# Allegro board 8880F5-0823__zarif.brd (continued)
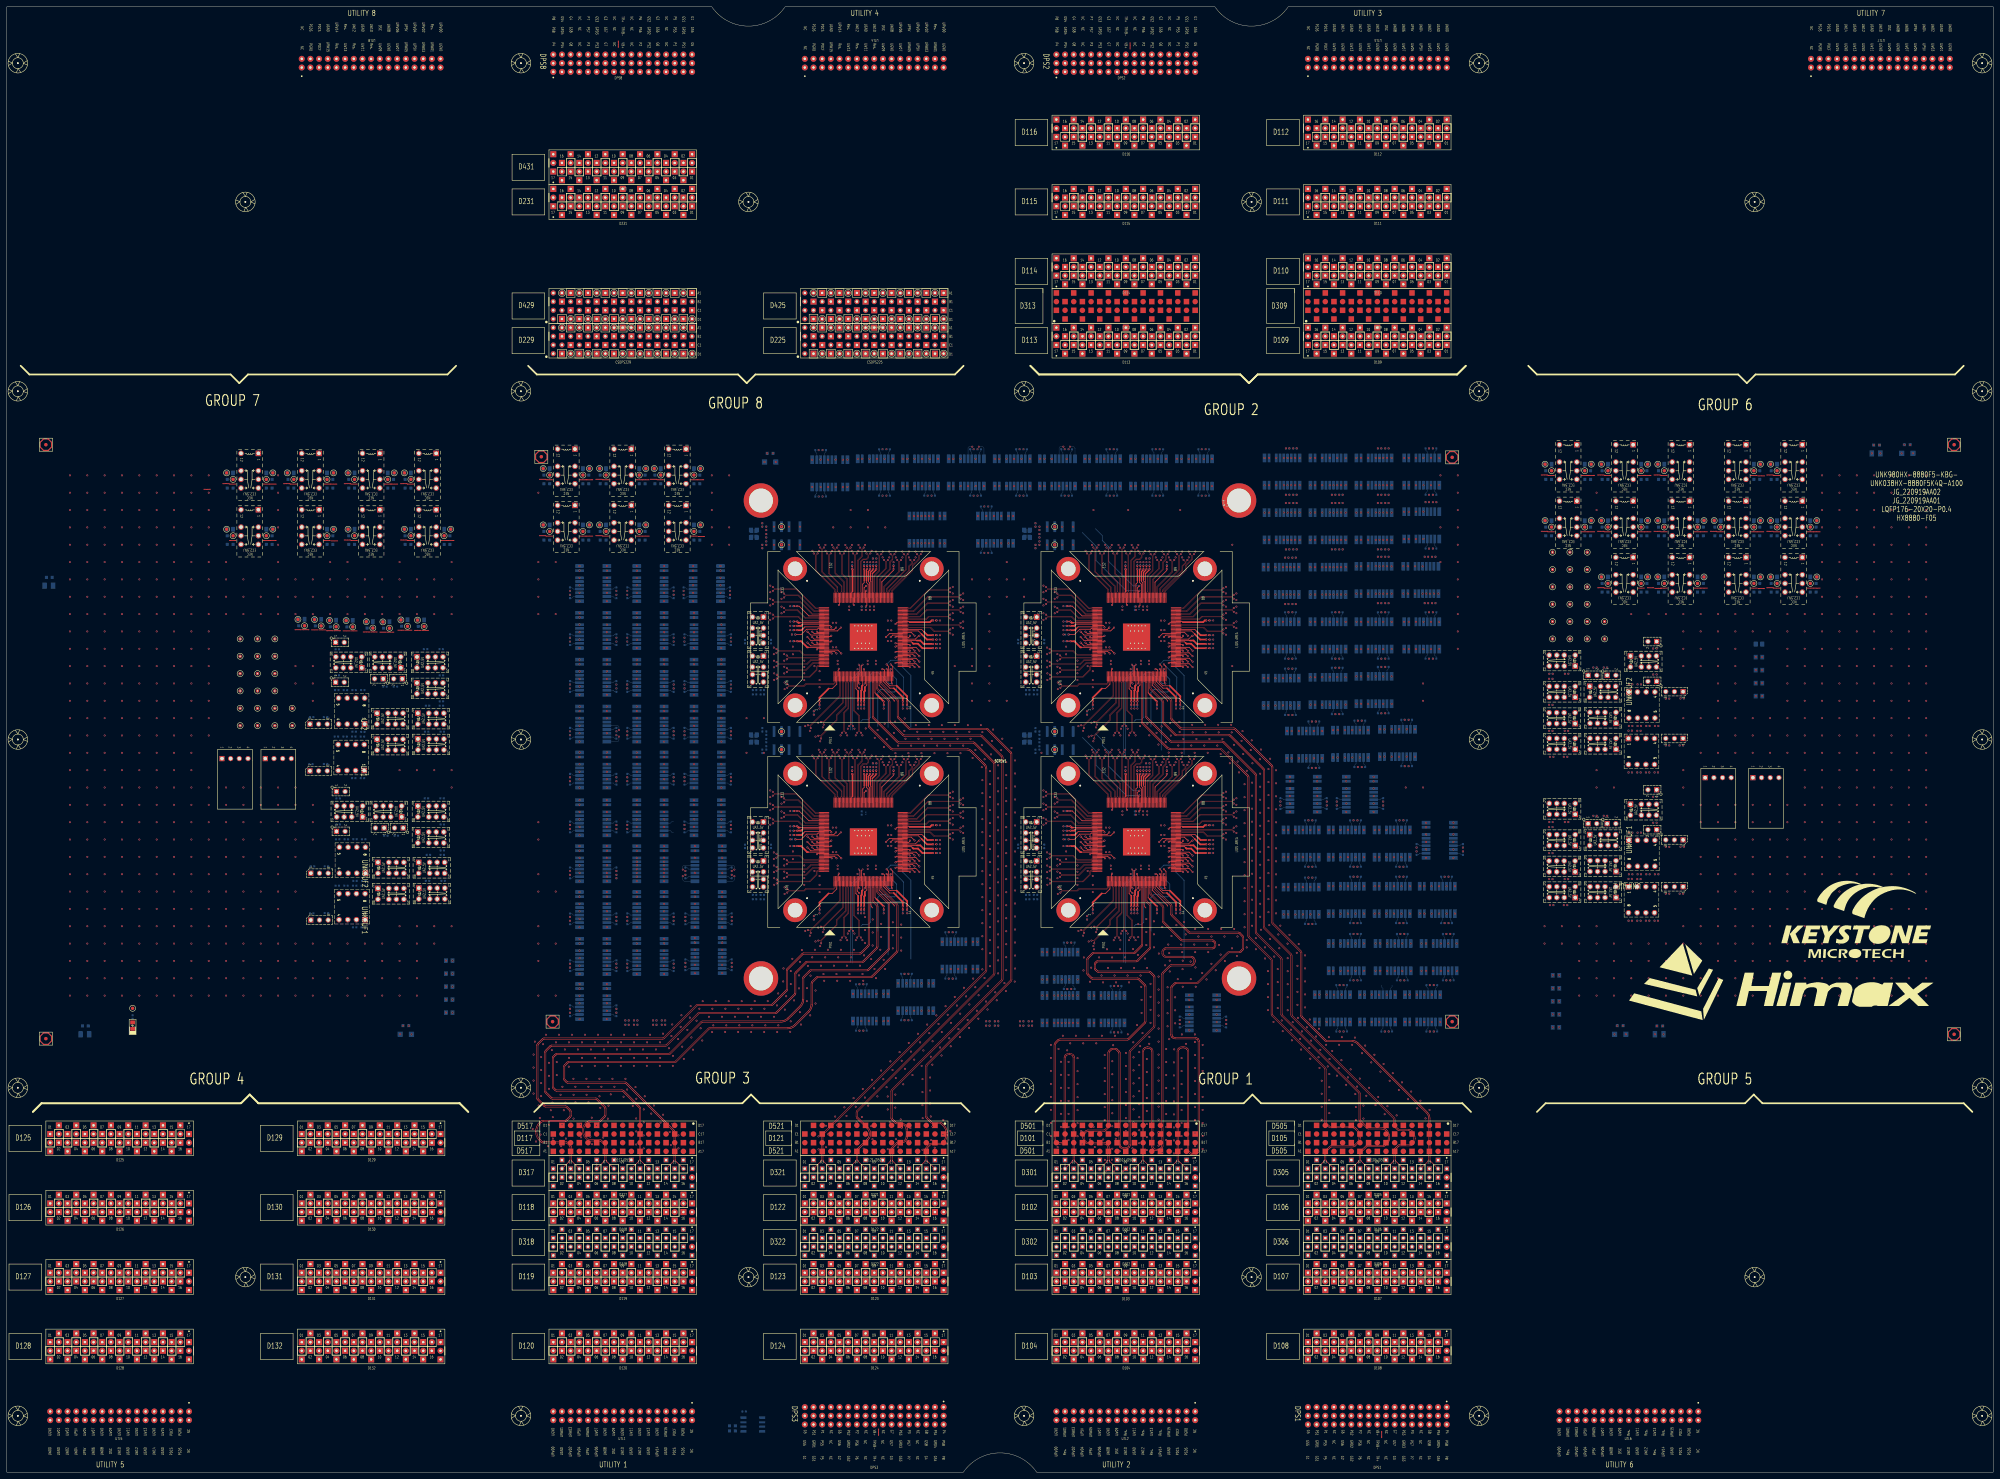
[diagram p0: board, top side]
## Placement (name value [footprint] x y rotation side) (continued)
FD8  -  [FD_040_V2]  156.51 297.46 180 bottom
FD9  -  [FD_040_V2]  570.23 128.27 180 bottom
FD10  -  [FD_040_V2]  570.23 300.99 0 top
FD11  -  [FD_040_V2]  570.23 300.99 180 bottom
FD12  -  [FD_040_V2]  11.43 300.99 0 top
FD13  -  [FD_040_V2]  11.43 300.99 180 bottom
FD14  -  [FD_040_V2]  11.43 127 0 top
FD15  -  [FD_040_V2]  11.43 127 180 bottom
FD16  -  [FD_040_V2]  570.23 128.27 0 top
GND1  TP01  [TP_040_T]  173.57 294 0 top
GND2  TP01  [TP_040_T]  187.11 294 180 top
GND3  TP01  [TP_040_T]  116.42 292.74 0 top
GND4  TP01  [TP_040_T]  157.06 294 0 top
GND5  TP01  [TP_040_T]  170.6 294 180 top
GND6  TP01  [TP_040_T]  173.57 277.5 0 top
GND7  TP01  [TP_040_T]  203.11 294 180 top
GND8  TP01  [TP_040_T]  189.58 294 0 top
GND9  TP01  [TP_040_T]  170.6 277.5 180 top
GND10  TP01  [TP_040_T]  99.36 249.46 0 top
GND11  TP01  [TP_040_T]  94.49 249.52 0 top
GND12  TP01  [TP_040_T]  203.11 277.5 180 top
GND13  TP01  [TP_040_T]  187.11 277.5 180 top
GND14  TP01  [TP_040_T]  157.06 277.5 0 top
HX8880-F05  REF-CODE-CHIP  [CHIP_CODE]  559.05 279.65 0 top
J1  HDR-2X1-M  [JP_2P_100]  110.24 232.41 270 bottom
J2  HDR-3X1-M  [JP_3P_100]  88.76 205.43 90 bottom
J3  HDR-3X1-M  [JP_3P_100]  88.76 219.15 90 bottom
J4  HDR-2X1-M  [JP_2P_100]  96.27 231.39 90 bottom
J5  HDR-2X1-M  [JP_2P_100]  96.27 243.08 90 bottom
JG_220919AA01  REF-CODE-SOCKET  [SOCKET_CODE]  559.05 284.73 0 top
JG_220919AA02  REF-CODE-SOCKET  [SOCKET_CODE]  559.05 287.27 0 top
K1  G6K-2F-RF-T-5V-SPECIAL  [RL_G6K2FRT_8P_5V_GR]  171.7 219.2 270 bottom
K2  G6K-2F-RF-T-5V-SPECIAL  [RL_G6K2FRT_8P_5V_GR]  205.23 232.92 270 bottom
K3  G6K-2F-RF-T-5V-SPECIAL  [RL_G6K2FRT_8P_5V_GR]  294.39 292.86 0 bottom
K4  G6K-2F-RF-T-5V-SPECIAL  [RL_G6K2FRT_8P_5V_GR]  307.59 292.86 0 bottom
K5  G6K-2F-RF-T-5V-SPECIAL  [RL_G6K2FRT_8P_5V_GR]  347.73 292.86 0 bottom
K6  G6K-2F-RF-T-5V-SPECIAL  [RL_G6K2FRT_8P_5V_GR]  334.26 292.86 0 bottom
K7  G6K-2F-RF-T-5V-SPECIAL  [RL_G6K2FRT_8P_5V_GR]  320.8 292.86 0 bottom
K8  G6K-2F-RF-T-5V-SPECIAL  [RL_G6K2FRT_8P_5V_GR]  267.46 292.86 0 bottom
K9  UA2-5NJ-A-V3  [RL_NECUA2_5V_V3]  219.96 235.46 90 bottom
K10  UA2-5NJ-A-V3  [RL_NECUA2_5V_V3]  111.76 237.24 0 bottom
K11  G6K-2F-RF-T-5V-SPECIAL  [RL_G6K2FRT_8P_5V_GR]  289.56 276.1 180 bottom
K12  UA2-5NJ-A-V3  [RL_NECUA2_5V_V3]  219.96 246.89 90 bottom
K13  UA2-5NJ-A-V3  [RL_NECUA2_5V_V3]  123.7 229.62 180 bottom
K14  UA2-5NJ-A-V3  [RL_NECUA2_5V_V3]  112.01 220.73 180 bottom
K15  UA2-5NJ-A-V3  [RL_NECUA2_5V_V3]  123.99 213.19 180 bottom
K16  G6K-2F-RF-T-5V-SPECIAL  [RL_G6K2FRT_8P_5V_GR]  241.05 292.61 180 bottom
K17  G6K-2F-RF-T-5V-SPECIAL  [RL_G6K2FRT_8P_5V_GR]  254.25 292.86 0 bottom
K18  UB2-5NU-B  [RL_NECUB2_5V]  228.45 274.32 0 bottom
K19  UA2-5NJ-A-V3  [RL_NECUA2_5V_V3]  112.01 213.11 180 bottom
K20  UA2-5NJ-A-V3  [RL_NECUA2_5V_V3]  123.95 220.73 180 bottom
K21  G6K-2F-RF-T-5V-SPECIAL  [RL_G6K2FRT_8P_5V_GR]  280.92 292.86 0 bottom
K22  G6K-2F-RF-T-5V-SPECIAL  [RL_G6K2FRT_8P_5V_GR]  205.23 246.63 270 bottom
K23  G6K-2F-RF-T-5V-SPECIAL  [RL_G6K2FRT_8P_5V_GR]  188.47 232.92 270 bottom
K24  G6K-2F-RF-T-5V-SPECIAL  [RL_G6K2FRT_8P_5V_GR]  171.7 232.92 270 bottom
K25  G6K-2F-RF-T-5V-SPECIAL  [RL_G6K2FRT_8P_5V_GR]  204.98 260.35 270 bottom
K26  G6K-2F-RF-T-5V-SPECIAL  [RL_G6K2FRT_8P_5V_GR]  188.47 246.63 270 bottom
K27  G6K-2F-RF-T-5V-SPECIAL  [RL_G6K2FRT_8P_5V_GR]  171.7 246.63 270 bottom
K28  UA2-5NJ-A-V3  [RL_NECUA2_5V_V3]  100.33 237.24 0 bottom
K29  G6K-2F-RF-T-5V-SPECIAL  [RL_G6K2FRT_8P_5V_GR]  171.7 260.35 270 bottom
K30  G6K-2F-RF-T-5V-SPECIAL  [RL_G6K2FRT_8P_5V_GR]  188.47 260.35 270 bottom
K31  EC2-5NJ-A  [RL_NECEC2_10P_5V]  196.34 276.86 90 bottom
K33  NC/UA2-5NJ-A-V3  [RL_NECUA2_5V_V3]  123.7 237.24 180 bottom
K34  EC2-5NJ-A  [RL_NECEC2_10P_5V]  180.34 293.37 90 bottom
K36  EC2-5NJ-A  [RL_NECEC2_10P_5V]  123.19 292.1 90 bottom
K37  EC2-5NJ-A  [RL_NECEC2_10P_5V]  163.83 293.37 90 bottom
K39  EC2-5NJ-A  [RL_NECEC2_10P_5V]  180.34 276.86 90 bottom
K40  EC2-5NJ-A  [RL_NECEC2_10P_5V]  196.34 293.37 90 bottom
K42  EC2-5NJ-A  [RL_NECEC2_10P_5V]  163.83 276.86 90 bottom
K43  G6K-2F-RF-T-5V-SPECIAL  [RL_G6K2FRT_8P_5V_GR]  269.49 276.1 180 bottom
LD902  LDG-2-S8  [LED_0805]  36.83 130.81 90 top
LOGO1  -  [LOGO_KT_KSMT]  538.48 154.94 0 top
LOGO2  LOGO_HX_Himax  [LOGO_HX_HIMAX]  518.16 138.43 0 top
LQFP176-20X20-P0.4  REF-CODE-CHIP  [CHIP_CODE]  559.05 282.19 0 top
NOREF  -  []  375.73 196.98 90 top
NOREF#2  -  []  184.47 247.18 90 top
NOREF#3  -  []  406.44 154.88 0 top
NOREF#4  -  []  390.53 188.15 0 top
NOREF#5  -  []  201.23 217.55 90 top
NOREF#6  -  []  377.23 273.11 0 top
NOREF#7  -  []  330.49 164.74 90 top
NOREF#8  -  []  352.24 244.86 90 top
NOREF#9  -  []  192.47 232.37 90 top
NOREF#10  -  []  209.49 155.13 90 top
NOREF#11  -  []  343.63 165.04 90 top
NOREF#12  -  []  386.33 207.21 90 top
NOREF#13  -  []  451.68 171.53 0 top
NOREF#14  -  []  106.76 222.88 0 top
NOREF#15  -  []  175.7 162.1 90 top
NOREF#16  -  []  109.96 238.84 0 top
NOREF#17  -  []  401.89 180.15 0 top
NOREF#18  -  []  385.19 289.12 0 top
NOREF#19  -  []  93.76 290.38 90 top
NOREF#20  -  []  367.73 274.38 90 top
NOREF#21  -  []  184.47 231.27 90 top
NOREF#22  -  []  298.16 237.06 0 top
NOREF#23  -  []  229.05 271.67 0 top
NOREF#24  -  []  331.62 205.55 0 top
NOREF#25  -  []  247.25 205.56 90 top
NOREF#26  -  []  462.06 277.31 90 top
NOREF#27  -  []  296.96 192.14 0 top
NOREF#28  -  []  167.7 260.9 90 top
NOREF#29  -  []  112.41 222.33 0 top
NOREF#30  -  []  230.73 189.2 0 top
NOREF#31  -  []  390.53 146.88 0 top
NOREF#32  -  []  417.7 154.88 0 top
NOREF#33  -  []  201.23 241.43 90 top
NOREF#34  -  []  346.27 135.17 90 top
NOREF#35  -  []  209.08 256.4 90 top
NOREF#36  -  []  295.19 271.65 90 top
NOREF#37  -  []  475.36 127 90 top
NOREF#38  -  []  392.47 240.56 90 top
NOREF#39  -  []  304.61 144.34 0 top
NOREF#40  -  []  128.24 171.1 0 top
NOREF#41  -  []  249.28 165.04 90 top
NOREF#42  -  []  249.6 224.74 90 top
NOREF#43  -  []  467.51 186.77 0 top
NOREF#44  -  []  352.55 181.37 0 top
NOREF#45  -  []  351.34 189.5 0 top
NOREF#46  -  []  107.18 246.83 90 top
NOREF#47  -  []  419.73 131.89 90 top
NOREF#48  -  []  230.43 248.88 90 top
NOREF#49  -  []  373.68 265.11 0 top
NOREF#50  -  []  331.94 205.86 90 top
NOREF#51  -  []  66.26 273.87 90 top
NOREF#52  -  []  210.86 187.32 90 top
NOREF#53  -  []  192.47 168.6 90 top
NOREF#54  -  []  259.33 205.55 0 top
NOREF#55  -  []  399.8 207.46 90 top
NOREF#56  -  []  369.63 289.12 0 top
NOREF#57  -  []  108.27 171.02 0 top
NOREF#58  -  []  352.25 242.96 0 top
NOREF#59  -  []  96.58 195.15 0 top
NOREF#60  -  []  315.16 290.13 90 top
NOREF#61  -  []  192.47 209.49 90 top
NOREF#62  -  []  461.96 210.36 0 top
NOREF#63  -  []  369.63 273.11 0 top
NOREF#64  -  []  108.01 195.15 0 top
NOREF#65  -  []  392.24 199.18 90 top
NOREF#66  -  []  385.61 208.66 90 top
NOREF#67  -  []  410.52 289.12 0 top
NOREF#68  -  []  229.51 243.41 0 top
NOREF#69  -  []  248.96 164.74 0 top
NOREF#70  -  []  201.49 178.86 90 top
NOREF#71  -  []  275.12 271.65 90 top
NOREF#72  -  []  177.33 201.29 90 top
NOREF#73  -  []  184.47 255.15 90 top
NOREF#74  -  []  192.57 187.82 90 top
NOREF#75  -  []  175.8 160.9 90 top
NOREF#76  -  []  352.24 189.18 90 top
NOREF#77  -  []  453.88 230.2 0 top
NOREF#78  -  []  369.38 224.6 0 top
NOREF#79  -  []  224.65 271.67 0 top
NOREF#80  -  []  456.08 239.34 0 top
NOREF#81  -  []  263.14 282 0 top
NOREF#82  -  []  271.34 182.64 0 top
NOREF#83  -  []  317.66 224.72 0 top
NOREF#84  -  []  200.98 260.9 90 top
NOREF#85  -  []  377.23 241.16 90 top
NOREF#86  -  []  271.34 249.5 0 top
NOREF#87  -  []  309.21 183.09 0 top
NOREF#88  -  []  262.68 163.52 90 top
NOREF#89  -  []  375.73 199.18 90 top
NOREF#90  -  []  225.83 264.31 0 top
NOREF#91  -  []  400.24 195.88 90 top
NOREF#92  -  []  380.53 217.11 0 top
NOREF#93  -  []  230.41 246.34 90 top
NOREF#94  -  []  120.21 178.64 0 top
NOREF#95  -  []  424.55 146.88 90 top
NOREF#96  -  []  242.23 233.13 0 top
NOREF#97  -  []  387.39 265.11 0 top
NOREF#98  -  []  262.36 225.04 90 top
NOREF#99  -  []  382.82 163.39 0 top
NOREF#100  -  []  127.59 211.59 90 top
NOREF#101  -  []  251.62 205.56 90 top
NOREF#102  -  []  404.24 146.88 0 top
NOREF#103  -  []  448.94 290.38 90 top
NOREF#104  -  []  352.55 182.64 0 top
NOREF#105  -  []  256.73 132.14 0 top
NOREF#106  -  []  247.25 205.55 0 top
NOREF#107  -  []  392.47 288.67 90 top
NOREF#108  -  []  343.95 163.52 90 top
NOREF#109  -  []  330.73 265.55 0 top
NOREF#110  -  []  253.4 264.35 90 top
NOREF#111  -  []  252.43 132.14 0 top
NOREF#112  -  []  201.49 146.18 90 top
NOREF#113  -  []  338.2 186.67 0 top
NOREF#114  -  []  310.43 188.88 90 top
NOREF#115  -  []  396.55 273.11 0 top
NOREF#116  -  []  400.54 171.64 0 top
NOREF#117  -  []  250.49 164.74 90 top
NOREF#118  -  []  239.33 236.03 90 top
NOREF#119  -  []  418.12 273.37 0 top
NOREF#120  -  []  106.76 215.26 0 top
NOREF#121  -  []  118.7 217.73 90 top
NOREF#122  -  []  453.88 195.91 0 top
NOREF#123  -  []  386.53 181.42 90 top
NOREF#124  -  []  262.04 164.74 0 top
NOREF#125  -  []  167.7 178.86 90 top
NOREF#126  -  []  352.24 249.18 90 top
NOREF#127  -  []  528.1 273.87 90 top
NOREF#128  -  []  201.49 159.65 90 top
NOREF#129  -  []  221.56 190.49 0 top
NOREF#130  -  []  272.55 243.91 0 top
NOREF#131  -  []  393.74 131.34 90 top
NOREF#132  -  []  254.29 205.56 0 top
NOREF#133  -  []  167.7 258.7 90 top
NOREF#134  -  []  250.74 164.74 0 top
NOREF#135  -  []  303.26 139.64 0 top
NOREF#136  -  []  459.28 236.14 0 top
NOREF#137  -  []  263.71 288.86 0 top
NOREF#138  -  []  167.7 173.11 0 top
NOREF#139  -  []  371.73 289.12 0 top
NOREF#140  -  []  352.25 249.18 90 top
NOREF#141  -  []  184.47 145.93 90 top
NOREF#142  -  []  272.24 244.86 90 top
NOREF#143  -  []  401.89 163.64 0 top
NOREF#144  -  []  495.08 257.36 90 top
NOREF#145  -  []  216.96 192.14 0 top
NOREF#146  -  []  302.11 129.74 0 top
NOREF#147  -  []  327.25 205.55 0 top
NOREF#148  -  []  167.7 200.54 0 top
NOREF#149  -  []  352.55 249.5 0 top
NOREF#150  -  []  306.71 131.64 0 top
NOREF#151  -  []  184.47 219.75 90 top
NOREF#152  -  []  397.55 209.41 90 top
NOREF#153  -  []  333.72 204.65 90 top
NOREF#154  -  []  419.47 241.11 90 top
NOREF#155  -  []  265.64 135.19 0 top
NOREF#156  -  []  310.41 183.09 90 top
NOREF#157  -  []  398.65 209.36 90 top
NOREF#158  -  []  397.8 146.43 90 top
NOREF#159  -  []  118.45 239.39 0 top
NOREF#160  -  []  250.17 223.82 90 top
NOREF#161  -  []  201.66 227.17 90 top
NOREF#162  -  []  450.03 191.31 0 top
NOREF#163  -  []  339.33 265.55 0 top
NOREF#164  -  []  263.14 270.2 90 top
NOREF#165  -  []  381.74 232.85 0 top
NOREF#166  -  []  378.75 224.15 90 top
NOREF#167  -  []  127.55 184.33 90 top
NOREF#168  -  []  297.83 234.63 90 top
NOREF#169  -  []  411.26 179.7 90 top
NOREF#170  -  []  230.43 193.37 90 top
NOREF#171  -  []  425.7 144.98 90 top
NOREF#172  -  []  271.31 288.86 0 top
NOREF#173  -  []  199.84 162.12 90 top
NOREF#174  -  []  230.73 253.69 0 top
NOREF#175  -  []  392.24 194.78 90 top
NOREF#176  -  []  199.59 189.04 90 top
NOREF#177  -  []  165.8 158.5 0 top
NOREF#178  -  []  298.13 274.06 0 top
NOREF#179  -  []  201.21 292.55 90 top
NOREF#180  -  []  168.13 199.99 90 top
NOREF#181  -  []  459.24 219.3 90 top
NOREF#182  -  []  343.63 225.04 90 top
NOREF#183  -  []  310.73 246.66 0 top
NOREF#184  -  []  177.33 228.47 90 top
NOREF#185  -  []  230.43 253.37 90 top
NOREF#186  -  []  165.8 131.57 0 top
NOREF#187  -  []  405.51 209.61 0 top
NOREF#188  -  []  398.65 249.11 0 top
NOREF#189  -  []  201.23 219.75 90 top
NOREF#190  -  []  258.35 288.91 90 top
NOREF#191  -  []  271.04 185.5 0 top
NOREF#192  -  []  379.01 288.67 90 top
NOREF#193  -  []  230.43 188.88 90 top
NOREF#194  -  []  118.96 179.19 0 top
NOREF#195  -  []  394 217.36 0 top
NOREF#196  -  []  319.15 288.86 0 top
NOREF#197  -  []  230.41 247.61 90 top
NOREF#198  -  []  182.57 199.39 0 top
NOREF#199  -  []  120.24 171.1 0 top
NOREF#200  -  []  342.36 225.04 90 top
NOREF#201  -  []  218.16 177.06 0 top
NOREF#202  -  []  390.34 192.28 0 top
NOREF#203  -  []  218.13 214.06 0 top
NOREF#204  -  []  423.61 184.62 90 top
NOREF#205  -  []  94.68 234.24 0 top
NOREF#206  -  []  375.22 163.39 0 top
NOREF#207  -  []  332.83 264.65 90 top
NOREF#208  -  []  297.71 216.09 0 top
NOREF#209  -  []  182.57 226.57 90 top
NOREF#210  -  []  378.58 289.12 90 top
NOREF#211  -  []  461.96 174.55 0 top
NOREF#212  -  []  367.13 287.22 0 top
NOREF#213  -  []  211.11 146.93 90 top
NOREF#214  -  []  75.98 271.33 90 top
NOREF#215  -  []  449.99 217.9 0 top
NOREF#216  -  []  451.68 186.77 0 top
NOREF#217  -  []  330.73 204.35 90 top
NOREF#218  -  []  369.38 241.11 0 top
NOREF#219  -  []  407.71 217.61 0 top
NOREF#220  -  []  201.23 190.12 90 top
NOREF#221  -  []  250.73 205.56 0 top
NOREF#222  -  []  177.33 242.18 90 top
NOREF#223  -  []  396.55 257.37 0 top
NOREF#224  -  []  336.45 164.74 0 top
NOREF#225  -  []  221.56 171.46 0 top
NOREF#226  -  []  352.25 184.86 90 top
NOREF#227  -  []  459.28 168.33 90 top
NOREF#228  -  []  184.47 200.54 0 top
NOREF#229  -  []  223.15 271.32 90 top
NOREF#230  -  []  309.21 253.37 0 top
NOREF#231  -  []  336.45 224.72 0 top
NOREF#232  -  []  272.25 242.96 0 top
NOREF#233  -  []  201.49 151.93 90 top
NOREF#234  -  []  396.55 257.37 0 top
NOREF#235  -  []  184.89 145.38 90 top
NOREF#236  -  []  329.6 224.74 90 top
NOREF#237  -  []  248.21 132.69 90 top
NOREF#238  -  []  201.23 247.18 90 top
NOREF#239  -  []  396.55 289.12 0 top
NOREF#240  -  []  192.57 256.4 90 top
NOREF#241  -  []  201.23 206.29 90 top
NOREF#242  -  []  369.63 289.12 0 top
NOREF#243  -  []  234.7 286.71 90 top
NOREF#244  -  []  461.96 210.36 0 top
NOREF#245  -  []  346.27 129.42 90 top
NOREF#246  -  []  320.42 139.64 0 top
NOREF#247  -  []  177.33 173.86 90 top
NOREF#248  -  []  312.46 131.69 90 top
NOREF#249  -  []  390.69 224.85 0 top
NOREF#250  -  []  167.7 192.32 90 top
NOREF#251  -  []  75.98 287.84 90 top
NOREF#252  -  []  400.85 249.11 0 top
NOREF#253  -  []  218.16 188.49 0 top
NOREF#254  -  []  167.7 192.32 90 top
NOREF#255  -  []  418.37 289.17 90 top
NOREF#256  -  []  396.55 225.11 0 top
NOREF#257  -  []  251.62 204.35 90 top
NOREF#258  -  []  405.17 131.89 0 top
NOREF#259  -  []  328.42 129.74 90 top
NOREF#260  -  []  250.5 288.86 0 top
NOREF#261  -  []  272.25 243.59 90 top
NOREF#262  -  []  309.51 189.2 0 top
NOREF#263  -  []  352.25 243.59 90 top
NOREF#264  -  []  210.86 214.75 90 top
NOREF#265  -  []  397.57 131.89 0 top
NOREF#266  -  []  167.7 178.86 90 top
NOREF#267  -  []  415.61 183.52 90 top
NOREF#268  -  []  394.05 239.21 0 top
NOREF#269  -  []  460.93 182.17 90 top
NOREF#270  -  []  184.47 173.11 0 top
NOREF#271  -  []  379.48 222.7 90 top
NOREF#272  -  []  251.06 165.04 90 top
NOREF#273  -  []  253.72 265.86 90 top
NOREF#274  -  []  518.38 292.92 90 top
NOREF#275  -  []  309.21 243.09 0 top
NOREF#276  -  []  302.11 252.14 0 top
NOREF#277  -  []  226.85 211.67 0 top
NOREF#278  -  []  352.25 244.23 0 top
NOREF#279  -  []  274.37 147.93 90 top
NOREF#280  -  []  379 288.57 90 top
NOREF#281  -  []  168.69 276.04 90 top
NOREF#282  -  []  329.85 224.72 0 top
NOREF#283  -  []  382.47 133.16 90 top
NOREF#284  -  []  459.28 183.57 0 top
NOREF#285  -  []  393.19 239.21 90 top
NOREF#286  -  []  339.33 265.56 90 top
NOREF#287  -  []  119.99 214.79 0 top
NOREF#288  -  []  406.65 255.47 90 top
NOREF#289  -  []  395.2 249.11 0 top
NOREF#290  -  []  388.35 217.36 0 top
NOREF#291  -  []  384.59 162.84 90 top
NOREF#292  -  []  412.62 273.37 0 top
NOREF#293  -  []  247.57 264.65 90 top
NOREF#294  -  []  200.98 258.7 90 top
NOREF#295  -  []  398.53 144.98 90 top
NOREF#296  -  []  320.94 151.63 90 top
NOREF#297  -  []  262.36 165.04 90 top
NOREF#298  -  []  210.6 255.9 90 top
NOREF#299  -  []  344.37 128.27 90 top
NOREF#300  -  []  234.33 168.13 90 top
NOREF#301  -  []  167.7 241.43 90 top
NOREF#302  -  []  175.7 141.67 90 top
NOREF#303  -  []  221.56 231.46 0 top
NOREF#304  -  []  107.02 179.19 0 top
NOREF#305  -  []  288.74 290.13 90 top
NOREF#306  -  []  36.1 129.71 90 top
NOREF#307  -  []  215.96 177.06 0 top
NOREF#308  -  []  167.7 165.4 90 top
NOREF#309  -  []  250.73 205.55 0 top
NOREF#310  -  []  400.85 265.37 0 top
NOREF#311  -  []  309.21 188.88 0 top
NOREF#312  -  []  377.32 171.39 0 top
NOREF#313  -  []  465.81 222.58 0 top
NOREF#314  -  []  249.28 163.82 90 top
NOREF#315  -  []  192.47 148.38 90 top
NOREF#316  -  []  392.21 131.94 90 top
NOREF#317  -  []  182.57 226.57 0 top
NOREF#318  -  []  310.43 248.88 90 top
NOREF#319  -  []  518.38 290.38 90 top
NOREF#320  -  []  165.8 199.39 0 top
NOREF#321  -  []  175.7 135.17 90 top
NOREF#322  -  []  419.9 154.88 0 top
NOREF#323  -  []  451.64 222.5 0 top
NOREF#324  -  []  265.64 280.1 0 top
NOREF#325  -  []  199.59 171.96 0 top
NOREF#326  -  []  483.17 130.26 90 top
NOREF#327  -  []  201.66 199.99 90 top
NOREF#328  -  []  115.36 235.64 90 top
NOREF#329  -  []  319.33 236.03 0 top
NOREF#330  -  []  414.82 297.12 0 top
NOREF#331  -  []  184.47 176.66 90 top
NOREF#332  -  []  217.41 273.24 0 top
NOREF#333  -  []  182.57 254 0 top
NOREF#334  -  []  121.9 238.84 0 top
NOREF#335  -  []  182.82 189.04 90 top
NOREF#336  -  []  404.15 257.37 0 top
NOREF#337  -  []  184.47 165.4 90 top
NOREF#338  -  []  395.07 129.99 0 top
NOREF#339  -  []  222.11 240.71 0 top
NOREF#340  -  []  222.67 298 90 top
NOREF#341  -  []  177.33 160.4 90 top
NOREF#342  -  []  394.66 242.38 90 top
NOREF#343  -  []  381.74 297.12 0 top
NOREF#344  -  []  381.74 249.11 0 top
NOREF#345  -  []  167.7 200.54 90 top
NOREF#346  -  []  397.8 179.7 90 top
NOREF#347  -  []  310.43 193.37 90 top
NOREF#348  -  []  351.04 185.5 0 top
NOREF#349  -  []  331.62 204.35 90 top
NOREF#350  -  []  329.85 164.74 0 top
NOREF#351  -  []  182.82 148.4 90 top
NOREF#352  -  []  309.51 193.69 0 top
NOREF#353  -  []  192.47 162.1 90 top
NOREF#354  -  []  411.52 146.33 90 top
NOREF#355  -  []  177.33 255.9 90 top
NOREF#356  -  []  277.17 288.86 0 top
NOREF#357  -  []  406.65 223.21 90 top
NOREF#358  -  []  313.98 131.19 90 top
NOREF#359  -  []  331.62 264.35 90 top
NOREF#360  -  []  346.69 128.87 90 top
NOREF#361  -  []  277.5 155.38 0 top
NOREF#362  -  []  402.14 146.88 0 top
NOREF#363  -  []  390.94 273.16 90 top
NOREF#364  -  []  230.73 249.2 0 top
NOREF#365  -  []  375.73 193.43 0 top
NOREF#366  -  []  465.45 290.38 90 top
NOREF#367  -  []  248.33 187.93 0 top
NOREF#368  -  []  467.51 230.2 0 top
NOREF#369  -  []  352.55 243.91 0 top
NOREF#370  -  []  252.83 264.65 90 top
NOREF#371  -  []  250.17 165.04 90 top
NOREF#372  -  []  271.04 184.23 0 top
NOREF#373  -  []  167.7 159.65 0 top
NOREF#374  -  []  285.71 280.1 0 top
NOREF#375  -  []  247.34 133.41 90 top
NOREF#376  -  []  413.75 171.64 0 top
NOREF#377  -  []  192.47 189.02 90 top
NOREF#378  -  []  259.33 205.56 0 top
NOREF#379  -  []  121.9 231.22 0 top
NOREF#380  -  []  460.93 234.74 90 top
NOREF#381  -  []  410.52 241.11 0 top
NOREF#382  -  []  317.05 288.86 0 top
NOREF#383  -  []  352.24 241.05 90 top
NOREF#384  -  []  107.02 171.57 0 top
NOREF#385  -  []  175.7 257.6 90 top
NOREF#386  -  []  390.94 241.16 90 top
NOREF#387  -  []  166.06 135.19 90 top
NOREF#388  -  []  403.99 163.64 0 top
NOREF#389  -  []  460.93 210.36 90 top
NOREF#390  -  []  266.74 143.19 0 top
NOREF#391  -  []  165.8 185.42 90 top
NOREF#392  -  []  546.67 300.44 90 top
NOREF#393  -  []  175.7 243.88 90 top
NOREF#394  -  []  251.05 205.86 90 top
NOREF#395  -  []  424.47 163.09 90 top
NOREF#396  -  []  184.47 192.32 90 top
NOREF#397  -  []  420.88 129.99 90 top
NOREF#398  -  []  351.83 288.91 90 top
NOREF#399  -  []  199.59 216.47 90 top
NOREF#400  -  []  200.98 256.5 90 top
NOREF#401  -  []  312.21 144.34 0 top
NOREF#402  -  []  329.85 224.74 0 top
NOREF#403  -  []  237.57 269.63 90 top
NOREF#404  -  []  119.99 214.79 0 top
NOREF#405  -  []  279.7 155.38 0 top
NOREF#406  -  []  396.55 241.11 0 top
NOREF#407  -  []  120.24 171.1 0 top
NOREF#408  -  []  118.7 195.7 0 top
NOREF#409  -  []  340.61 286.96 90 top
NOREF#410  -  []  402.06 217.61 0 top
NOREF#411  -  []  485.36 289.48 90 top
NOREF#412  -  []  463.61 214.96 0 top
NOREF#413  -  []  552.76 299.72 0 top
NOREF#414  -  []  251.62 205.56 0 top
NOREF#415  -  []  201.23 200.54 0 top
NOREF#416  -  []  394.46 129.99 90 top
NOREF#417  -  []  272.25 182.96 0 top
NOREF#418  -  []  253.72 264.65 90 top
NOREF#419  -  []  155.57 289.11 90 top
NOREF#420  -  []  261.63 255.43 90 top
NOREF#421  -  []  107.02 179.19 0 top
NOREF#422  -  []  397.38 163.64 90 top
NOREF#423  -  []  251.94 205.86 90 top
NOREF#424  -  []  271.04 244.23 0 top
NOREF#425  -  []  230.43 183.09 90 top
NOREF#426  -  []  272.25 181.69 0 top
NOREF#427  -  []  379.48 239.21 90 top
NOREF#428  -  []  459.28 211.76 0 top
NOREF#429  -  []  210.86 228.47 90 top
NOREF#430  -  []  396.22 139.89 0 top
NOREF#431  -  []  75.98 290.38 90 top
NOREF#432  -  []  98.78 195.15 0 top
NOREF#433  -  []  413.1 144.98 0 top
NOREF#434  -  []  250.23 132.14 0 top
NOREF#435  -  []  253.4 204.35 90 top
NOREF#436  -  []  271.34 249.5 0 top
NOREF#437  -  []  306.85 211.67 0 top
NOREF#438  -  []  317.66 164.72 0 top
NOREF#439  -  []  366.88 222.7 0 top
NOREF#440  -  []  115.99 130.36 90 top
NOREF#441  -  []  475.04 195.66 0 top
NOREF#442  -  []  405.5 273.11 90 top
NOREF#443  -  []  461.96 217.98 0 top
NOREF#444  -  []  175.7 195.52 90 top
NOREF#445  -  []  313.94 286.96 90 top
NOREF#446  -  []  328.96 164.72 0 top
NOREF#447  -  []  390.59 195.9 90 top
NOREF#448  -  []  478.57 293.82 90 top
NOREF#449  -  []  253.33 181.33 90 top
NOREF#450  -  []  175.7 232.37 90 top
NOREF#451  -  []  122.15 222.33 0 top
NOREF#452  -  []  317.98 163.82 90 top
NOREF#453  -  []  369.38 224.6 0 top
NOREF#454  -  []  339.33 264.35 90 top
NOREF#455  -  []  389.7 209.36 0 top
NOREF#456  -  []  330.17 223.82 90 top
NOREF#457  -  []  184.47 256.5 90 top
NOREF#458  -  []  116.01 214.71 0 top
NOREF#459  -  []  378.33 224.6 90 top
NOREF#460  -  []  292.74 296.86 0 top
NOREF#461  -  []  388.43 163.64 0 top
NOREF#462  -  []  209.23 230.17 90 top
NOREF#463  -  []  240.83 194.63 0 top
NOREF#464  -  []  230.73 186.66 0 top
NOREF#465  -  []  481.96 273.87 90 top
NOREF#466  -  []  11.6 261.68 90 top
NOREF#467  -  []  460.93 225.6 90 top
NOREF#468  -  []  301.56 190.49 0 top
NOREF#469  -  []  478.57 277.31 90 top
NOREF#470  -  []  471.11 186.77 0 top
NOREF#471  -  []  451.68 239.34 0 top
NOREF#472  -  []  310.83 224.63 0 top
NOREF#473  -  []  201.91 145.63 90 top
NOREF#474  -  []  253.72 205.86 90 top
NOREF#475  -  []  367.48 258.38 90 top
NOREF#476  -  []  411.26 209.66 90 top
NOREF#477  -  []  329.6 163.52 90 top
NOREF#478  -  []  262.36 163.82 90 top
NOREF#479  -  []  168.13 213.45 90 top
NOREF#480  -  []  331.05 205.86 90 top
NOREF#481  -  []  251.38 164.74 90 top
NOREF#482  -  []  259.33 204.35 90 top
NOREF#483  -  []  333.4 265.55 0 top
NOREF#484  -  []  403.41 209.61 0 top
NOREF#485  -  []  165.8 226.57 90 top
NOREF#486  -  []  453.88 171.53 0 top
NOREF#487  -  []  310.43 247.61 90 top
NOREF#488  -  []  273.5 148.65 90 top
NOREF#489  -  []  122.15 187.53 0 top
NOREF#490  -  []  257.09 164.74 90 top
NOREF#491  -  []  406.94 131.34 90 top
NOREF#492  -  []  272.25 241.69 0 top
NOREF#493  -  []  301.34 286.96 0 top
NOREF#494  -  []  312.25 271.67 90 top
NOREF#495  -  []  337.09 223.52 90 top
NOREF#496  -  []  201.49 173.11 90 top
NOREF#497  -  []  120.21 178.64 0 top
NOREF#498  -  []  380.59 271.21 0 top
NOREF#499  -  []  459.28 211.76 90 top
NOREF#500  -  []  418.37 273.42 90 top
NOREF#501  -  []  310.41 253.37 90 top
NOREF#502  -  []  192.47 218.65 90 top
NOREF#503  -  []  108.01 222.33 0 top
NOREF#504  -  []  209.23 222.95 90 top
NOREF#505  -  []  185.2 273.5 90 top
NOREF#506  -  []  209.33 187.82 90 top
NOREF#507  -  []  246.63 142.04 0 top
NOREF#508  -  []  331.62 265.56 90 top
NOREF#509  -  []  468.01 222.58 0 top
NOREF#510  -  []  459.24 175.86 90 top
NOREF#511  -  []  263.95 163.52 90 top
NOREF#512  -  []  352.25 183.59 90 top
NOREF#513  -  []  387.39 249.11 0 top
NOREF#514  -  []  271.34 183.91 0 top
NOREF#515  -  []  273.59 272.15 90 top
NOREF#516  -  []  471.21 219.38 0 top
NOREF#517  -  []  272.55 241.37 0 top
NOREF#518  -  []  368.28 281.11 0 top
NOREF#519  -  []  423.2 146.88 0 top
NOREF#520  -  []  226.85 271.67 0 top
NOREF#521  -  []  199.33 185.42 90 top
NOREF#522  -  []  115.87 167.82 90 top
NOREF#523  -  []  468.68 129.54 0 top
NOREF#524  -  []  327.7 131.19 90 top
NOREF#525  -  []  167.7 227.72 0 top
NOREF#526  -  []  351.04 181.69 0 top
NOREF#527  -  []  175.7 150.58 90 top
NOREF#528  -  []  369.38 241.11 0 top
NOREF#529  -  []  265.81 288.86 0 top
NOREF#530  -  []  312.21 131.64 0 top
NOREF#531  -  []  192.57 160.9 90 top
NOREF#532  -  []  448.94 292.92 90 top
NOREF#533  -  []  251.06 225.04 90 top
NOREF#534  -  []  290.64 288.86 0 top
NOREF#535  -  []  185.2 290.01 90 top
NOREF#536  -  []  175.7 250.38 90 top
NOREF#537  -  []  485.36 292.02 90 top
NOREF#538  -  []  419.9 288.67 90 top
NOREF#539  -  []  199.59 145.03 90 top
NOREF#540  -  []  119.95 222.33 0 top
NOREF#541  -  []  404.4 289.17 90 top
NOREF#542  -  []  166.06 175.58 90 top
NOREF#543  -  []  252.51 205.56 0 top
NOREF#544  -  []  391.96 131.89 0 top
NOREF#545  -  []  252.51 264.35 90 top
NOREF#546  -  []  410.52 273.37 0 top
NOREF#547  -  []  271.04 249.18 0 top
NOREF#548  -  []  336.77 225.04 90 top
NOREF#549  -  []  511.59 257.36 90 top
NOREF#550  -  []  167.7 233.47 90 top
NOREF#551  -  []  223.15 211.32 90 top
NOREF#552  -  []  127.3 235.64 90 top
NOREF#553  -  []  167.7 173.11 90 top
NOREF#554  -  []  199.59 203.01 90 top
NOREF#555  -  []  279.7 155.38 0 top
NOREF#556  -  []  456.08 171.53 0 top
NOREF#557  -  []  383.09 273.11 0 top
NOREF#558  -  []  392.73 188.15 0 top
NOREF#559  -  []  272.25 244.86 90 top
NOREF#560  -  []  228.36 202.16 45 top
NOREF#561  -  []  401.52 210.88 90 top
NOREF#562  -  []  298.16 188.49 0 top
NOREF#563  -  []  175.8 228.97 90 top
NOREF#564  -  []  199.84 175.58 90 top
NOREF#565  -  []  122.44 171.1 0 top
NOREF#566  -  []  327.25 205.55 0 top
NOREF#567  -  []  528.1 257.36 90 top
NOREF#568  -  []  411.26 163.19 90 top
NOREF#569  -  []  461.96 166.93 0 top
NOREF#570  -  []  321.35 296.86 0 top
NOREF#571  -  []  321.82 167.13 90 top
NOREF#572  -  []  286.12 288.86 90 top
NOREF#573  -  []  475.04 239.09 0 top
NOREF#574  -  []  405.5 225.11 90 top
NOREF#575  -  []  300.36 177.06 0 top
NOREF#576  -  []  383.09 289.12 0 top
NOREF#577  -  []  528.1 276.41 90 top
NOREF#578  -  []  106.03 217.88 90 top
NOREF#579  -  []  412.6 161.74 0 top
NOREF#580  -  []  392.47 288.57 90 top
NOREF#581  -  []  309.21 248.88 0 top
NOREF#582  -  []  296.96 180.71 0 top
NOREF#583  -  []  485.36 259.9 90 top
NOREF#584  -  []  167.7 149.48 90 top
NOREF#585  -  []  263.63 165.04 90 top
NOREF#586  -  []  256.77 225.04 90 top
NOREF#587  -  []  383.09 224.85 0 top
NOREF#588  -  []  284.36 272.1 90 top
NOREF#589  -  []  230.43 253.37 90 top
NOREF#590  -  []  271.34 189.5 0 top
NOREF#591  -  []  272.25 189.82 0 top
NOREF#592  -  []  343.95 164.74 90 top
NOREF#593  -  []  418.63 131.94 90 top
NOREF#594  -  []  398.65 273.11 0 top
NOREF#595  -  []  453.88 239.34 0 top
NOREF#596  -  []  230.73 253.69 0 top
NOREF#597  -  []  252.6 296.86 0 top
NOREF#598  -  []  118.7 182.93 90 top
NOREF#599  -  []  116.01 222.33 0 top
NOREF#600  -  []  199.33 185.42 0 top
NOREF#601  -  []  182.82 243.9 90 top
NOREF#602  -  []  230.43 189.52 0 top
NOREF#603  -  []  192.57 174.36 90 top
NOREF#604  -  []  450.03 234.74 0 top
NOREF#605  -  []  405.93 224.66 90 top
NOREF#606  -  []  230.73 193.69 0 top
NOREF#607  -  []  249.6 223.52 90 top
NOREF#608  -  []  285.02 288.91 90 top
NOREF#609  -  []  340.83 174.63 90 top
NOREF#610  -  []  119.7 238.84 0 top
NOREF#611  -  []  473.6 206.05 90 top
NOREF#612  -  []  396.55 289.12 0 top
NOREF#613  -  []  259.33 205.55 0 top
NOREF#614  -  []  375.22 163.39 0 top
NOREF#615  -  []  322.23 233.13 90 top
NOREF#616  -  []  230.43 243.09 90 top
NOREF#617  -  []  201.23 227.72 90 top
NOREF#618  -  []  167.7 247.18 90 top
NOREF#619  -  []  301.56 239.06 0 top
NOREF#620  -  []  396.55 273.11 0 top
NOREF#621  -  []  249.85 224.72 0 top
NOREF#622  -  []  401.87 139.89 0 top
NOREF#623  -  []  461.86 187.32 0 top
NOREF#624  -  []  201.49 151.93 90 top
NOREF#625  -  []  199.33 226.57 90 top
NOREF#626  -  []  184.47 151.68 90 top
NOREF#627  -  []  310.73 183.41 0 top
NOREF#628  -  []  253.4 205.55 0 top
NOREF#629  -  []  175.7 222.95 90 top
NOREF#630  -  []  408.88 133.16 90 top
NOREF#631  -  []  392.73 171.64 0 top
NOREF#632  -  []  124.61 178.64 0 top
NOREF#633  -  []  272.25 182.32 90 top
NOREF#634  -  []  384.59 179.6 90 top
NOREF#635  -  []  424.47 163.19 90 top
NOREF#636  -  []  260.55 136.46 90 top
NOREF#637  -  []  209.23 191.22 90 top
NOREF#638  -  []  277.17 288.86 0 top
NOREF#639  -  []  182.57 212.85 0 top
NOREF#640  -  []  326.23 173.13 0 top
NOREF#641  -  []  310.43 186.34 90 top
NOREF#642  -  []  115.87 175.44 90 top
NOREF#643  -  []  184.47 217.55 90 top
NOREF#644  -  []  182.57 240.28 0 top
NOREF#645  -  []  396.55 225.11 0 top
NOREF#646  -  []  351.04 249.18 0 top
NOREF#647  -  []  400.85 281.11 0 top
NOREF#648  -  []  403.41 209.61 0 top
NOREF#649  -  []  119.95 187.53 0 top
NOREF#650  -  []  392.24 193.43 90 top
NOREF#651  -  []  209.23 216.45 90 top
NOREF#652  -  []  398.53 178.25 90 top
NOREF#653  -  []  199.33 226.57 0 top
NOREF#654  -  []  272.25 189.18 90 top
NOREF#655  -  []  310.43 243.09 0 top
NOREF#656  -  []  240.5 288.61 0 top
NOREF#657  -  []  238.3 164.74 90 top
NOREF#658  -  []  175.7 175.56 90 top
NOREF#659  -  []  371.48 232.6 0 top
NOREF#660  -  []  201.49 176.66 90 top
NOREF#661  -  []  105.58 234.24 90 top
NOREF#662  -  []  184.47 219.75 90 top
NOREF#663  -  []  386.53 164.91 90 top
NOREF#664  -  []  182.57 212.85 90 top
NOREF#665  -  []  310.43 193.37 90 top
NOREF#666  -  []  451.68 230.2 0 top
NOREF#667  -  []  281.47 296.86 0 top
NOREF#668  -  []  107.02 174.04 90 top
NOREF#669  -  []  199.33 212.85 0 top
NOREF#670  -  []  337.9 186.35 90 top
NOREF#671  -  []  263.31 224.72 0 top
NOREF#672  -  []  184.47 145.93 0 top
NOREF#673  -  []  367.48 242.38 90 top
NOREF#674  -  []  263.85 273.37 90 top
NOREF#675  -  []  167.7 247.18 90 top
NOREF#676  -  []  343.95 223.52 90 top
NOREF#677  -  []  313.22 288.41 90 top
NOREF#678  -  []  256.45 224.74 0 top
NOREF#679  -  []  344.37 128.27 0 top
NOREF#680  -  []  352.24 243.59 90 top
NOREF#681  -  []  290.64 288.86 0 top
NOREF#682  -  []  392.04 289.12 90 top
NOREF#683  -  []  373.83 192.28 90 top
NOREF#684  -  []  385.93 178.25 0 top
NOREF#685  -  []  385.19 265.11 0 top
NOREF#686  -  []  314.33 228.13 90 top
NOREF#687  -  []  374.88 217.11 0 top
NOREF#688  -  []  331.06 163.82 90 top
NOREF#689  -  []  415.6 146.88 0 top
NOREF#690  -  []  275.3 155.38 0 top
NOREF#691  -  []  239.33 236.03 0 top
NOREF#692  -  []  354.27 138.37 90 top
NOREF#693  -  []  376.23 209.11 0 top
NOREF#694  -  []  175.8 147.18 90 top
NOREF#695  -  []  251.05 264.65 90 top
NOREF#696  -  []  374.34 210.38 90 top
